# Allegro board P2597_B04_Allegro_layout.brd (continued)
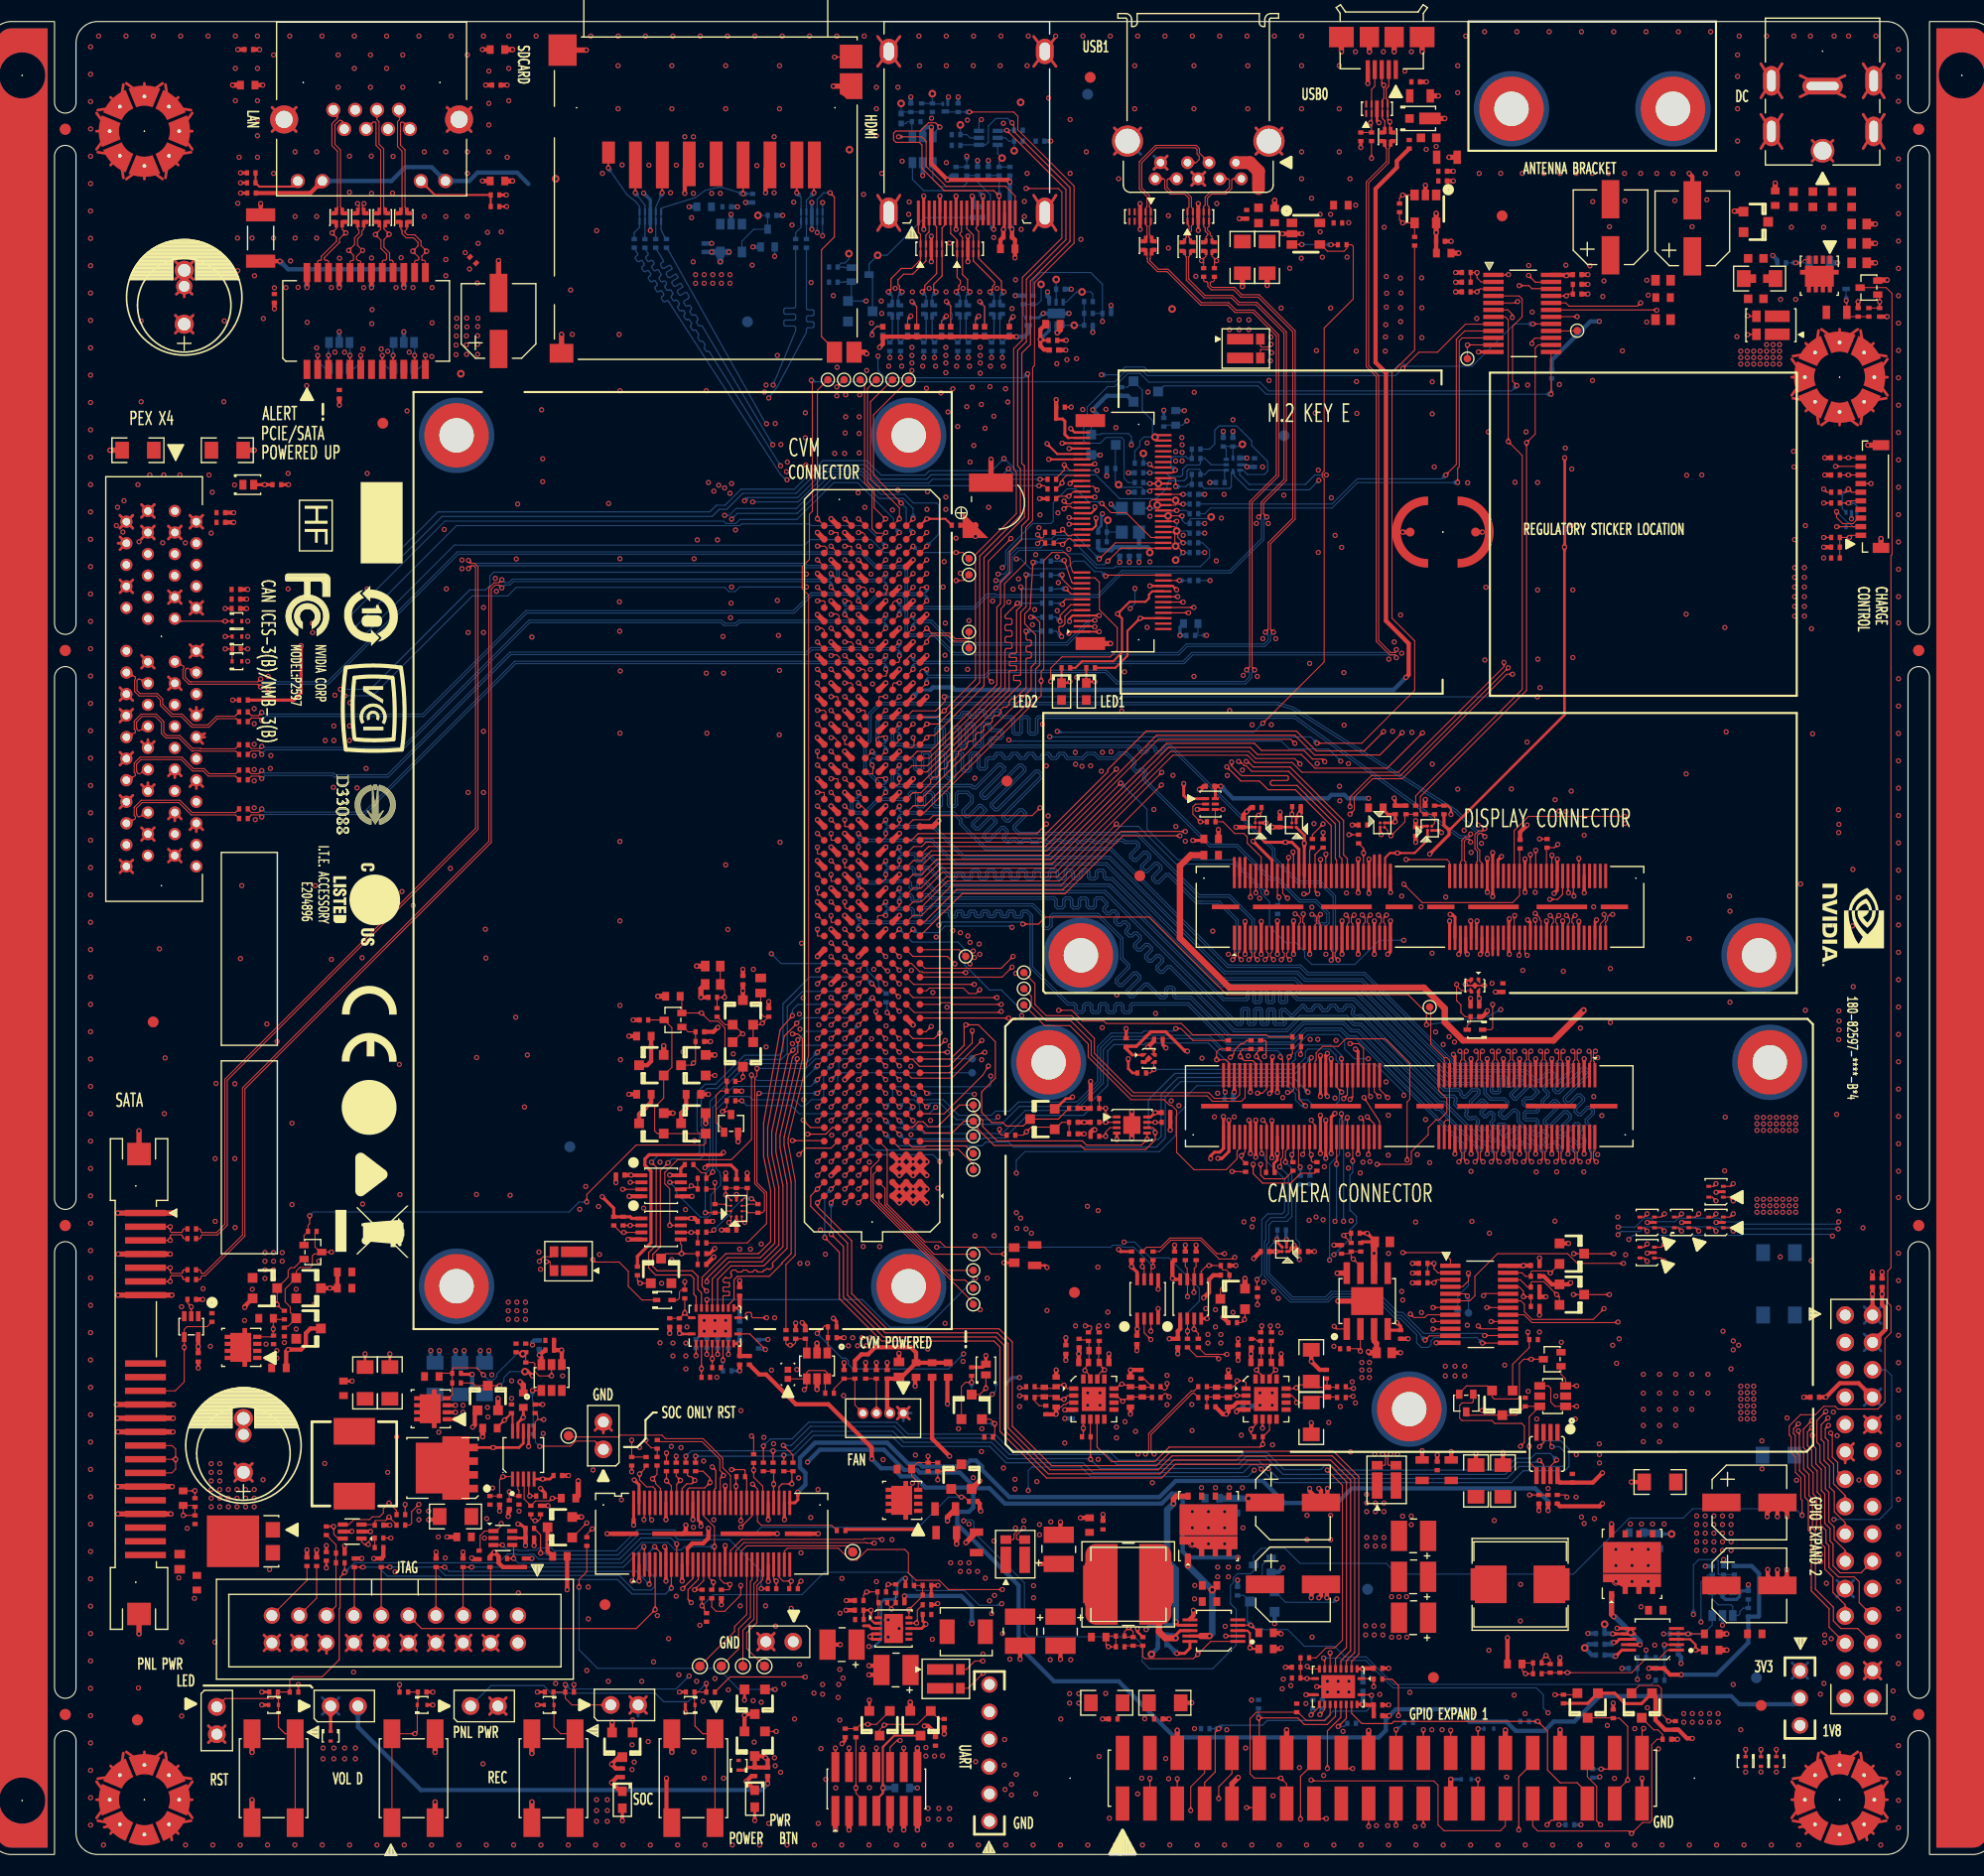
[diagram p0: board, top side]
## Routing (per net, layer and track width the routed paths; a pad name or vN(x,y) marks a point on that pad's centre or on a via; arc(x,y) is an arc through that point) (continued)
  L5 w0.4: MEC2.6 MEC2.5 MEC2.4
  BOTTOM w0.25: R336.2 v1(69.65,44.91) ; D505.3 v1(61.35,150.78) ; v1(76.35,153.38) D504.3 v1(76.35,150.88) ; R329.2 149.48,7.13 v1(149.55,7.2) ; Q501.5 v1(160.95,21.28) ; v1(172.94,124) 172.92,124.02 D34.2 ; C515.2 102.95,123.08 103.24,123.38 103.24,124.38 v1(103.35,124.48) ; Q505.2 97.45,142.68 v1(97.85,143.08) ; v1(67.35,48.58) 67.6,48.33 R337.2 ; v1(72.28,47.81) 71.43,47.81 R334.2 ; R339.2 66.6,48.33 v1(66.35,48.58) R341.2 ; C511.2 v1(110.96,134.06) ; R335.2 68.6,48.33 v1(68.35,48.58) ; 147.17,2.75 v1(147.8,2.75) ; Q507.2 88.98,163.11 v1(89.05,163.18) ; C512.2 v1(109.05,134.09)
  BOTTOM w0.254: J19.7 112.87,154.96 ; J19.7 111.63,156.2 ; J19.7 111.63,154.96 ; J19.7 112.87,156.2 ; 108.13,156.46 J19.4 ; J19.4 108.13,157.7 ; J19.4 109.37,157.7 ; J19.4 109.37,156.46 ; 71.31,20.53 J11.2 ; J11.2 71.31,18.98 ; J11.2 72.86,18.98 ; J11.2 72.86,20.53 ; 17.23,146.26 C4.3 ; C4.3 18.87,147.9 ; C4.3 17.23,147.9 ; C4.3 18.87,146.26 ; 168.17,165.16 J25.2 ; J25.2 168.17,163.2 ; J25.2 172.33,165.16 ; J25.2 172.33,163.2 ; J16.23 84.53,166.02 ; J16.23 82.47,166.02 ; J16.23 82.47,168.79 ; J16.23 84.53,168.79 ; 164.52,163.1 J25.4 ; J25.4 166.48,166.26 ; J25.4 166.48,163.1 ; J25.4 164.52,166.26 ; J26.21 173.13,25.46 ; J26.21 173.13,23.9 ; J26.21 171.57,25.46 ; J26.21 171.57,23.9 ; 174.02,161.56 J25.6 ; J25.6 175.98,158.4 ; J25.6 175.98,161.56 ; J25.6 174.02,158.4 ; 82.47,154.05 J16.22 ; J16.22 82.47,150.78 ; J16.22 84.53,150.78 ; J16.22 84.53,154.05 ; J19.11 106.9,160.3 ; J19.11 104.46,160.3 ; J19.11 104.46,157.86 ; J19.11 106.9,157.86 ; J19.10 120.04,157.86 ; J19.10 120.04,160.3 ; J19.10 117.6,157.86 ; J19.10 117.6,160.3 ; 20.3,11.94 J3.2 ; J3.2 20.3,10.39 ; J3.2 21.85,10.39 ; J3.2 21.85,11.94 ; 164.52,158.4 J25.3 ; J25.3 166.48,158.4 ; J25.3 166.48,161.56 ; J25.3 164.52,161.56 ; 46.41,13 J6.2 ; J6.2 47.97,13 ; J6.2 47.97,14.56 ; J6.2 46.41,14.56 ; 60.22,12.85 J9.2 ; J9.2 59.44,13.1 ; J9.2 60.99,13.1 ; J26.28 175.67,17.84 ; J26.28 175.67,16.28 ; J26.28 174.11,17.84 ; J26.28 174.11,16.28 ; 18.05,144.63 C4.2 ; C4.2 17.32,144.86 ; C4.2 18.78,144.86 ; J16.20 99.03,154.05 ; J16.20 96.97,150.78 ; J16.20 96.97,154.05 ; J16.20 99.03,150.78 ; 96.97,168.79 J16.21 ; J16.21 99.03,168.79 ; J16.21 96.97,166.02 ; J16.21 99.03,166.02 ; J15.1 85.41,40.42 ; J15.1 85.57,40.98 ; J15.1 84.85,40.26 ; J25.5 175.98,163.1 ; J25.5 174.02,163.1 ; J25.5 175.98,166.26 ; J25.5 174.02,166.26
  BOTTOM w0.3: C510.2 v1(110.55,113.18) 110.55,113.95 C509.2 ; v1(120.45,57.08) 120.4,57.13 R520.2 ; Y501.2 104.55,124.98 v1(104.15,125.38) ; 160.95,23.93 161.2,23.68 162.25,23.68 162.53,23.96 162.53,24.26 162.75,24.48 R502.2 ; v1(95.65,44.28) 94.95,44.28 D30.2 ; v1(60.73,154.26) 61.35,153.63 D505.3 ; v1(99.15,141.28) 99.05,141.38 U502.5 ; D32.2 v1(135.7,6.98)
  BOTTOM w0.4: U501.1 v1(116.77,129.66) ; C528.2 v1(85.55,163.18) ; v1(40.95,46.78) 40.95,46.05 C538.2 41.75,46.05 v1(41.75,46.78) ; C505.2 117.9,41.63 v1(117.98,41.71) ; R544.2 v1(104.15,143.83) ; v1(165.62,148.46) 166.05,148.03 R501.1 ; C535.2 v1(67.05,149.58) ; U503.2 v1(68.85,152.28) ; C522.2 91.35,153.88 v1(91.25,153.98) ; C514.2 v1(106.75,119.98) ; C517.2 v1(98.55,159.08) ; Q502.2 119.71,26.23 v1(120.12,26.63) ; R505.2 v1(161.05,27.38) ; v1(115.59,70.78) 115.5,70.69 R523.2 ; v1(97.85,143.08) U502.7 v1(100.25,143.08) ; R502.2 v1(163.35,25.05) ; v1(107.4,20.88) 107.8,21.28 R535.2 ; C533.2 v1(69.45,152.98) ; v1(46.35,46.78) 46.35,46.05 C536.2 45.55,46.05 v1(45.55,46.78) ; D506.2 v1(38.45,141.38) ; C520.2 v1(92.75,157.28) ; D503.2 v1(86.65,155.88) ; C502.2 v1(159.35,26.76) ; R540.2 v1(105.75,126.48) ; D507.2 v1(32.45,141.38) ; Q503.2 v1(119.34,21.43) ; C532.2 v1(70.2,153.38) ; 160.95,23.93 Q501.2 ; v1(44.05,46.78) 44.05,46.05 C537.2 43.25,46.05 v1(43.25,46.78) ; C507.2 v1(115.47,132.13) ; R550.2 v1(100.45,145.33) ; R514.2 v1(148.45,20.52) ; C202.2 50.58,47.73 50.4,47.55 v1(50.4,47.3) ; C516.2 v1(99.85,40.48) ; C521.2 v1(91.75,157.28) ; Q509.2 v1(70.88,149.25) ; C529.2 v1(86.16,6.18) ; C534.2 v1(64.95,152.98)
  vias: v1(9.35,167.83) v1(9.35,165.29) v1(9.35,162.75) v1(9.35,160.21) v1(9.35,157.67) v1(9.35,155.13) v1(9.35,152.59) v1(9.35,150.05) v1(9.35,147.51) v1(9.35,144.97) v1(9.35,142.43) v1(9.35,139.89) v1(9.35,137.35) v1(9.35,134.81) v1(9.35,132.27) v1(9.35,129.73) v1(9.35,127.19) v1(9.35,124.65) v1(9.35,122.11) v1(9.35,119.57) v1(9.35,117.03) v1(9.35,114.49) v1(9.35,111.95) v1(9.35,109.41) v1(9.35,106.87) v1(9.35,104.33) v1(9.35,101.79) v1(9.35,99.25) v1(9.35,96.71) v1(9.35,94.17) v1(9.35,91.63) v1(9.35,89.09) v1(9.35,86.55) v1(9.35,84.01) v1(9.35,81.47) v1(9.35,78.93) v1(9.35,76.39) v1(9.35,73.85) v1(9.35,71.31) v1(9.35,68.77) v1(9.35,66.23) v1(9.35,63.69) v1(9.35,61.15) v1(9.35,58.61) v1(9.35,56.07) v1(9.35,53.53) v1(9.35,50.99) v1(9.35,48.45) v1(9.35,45.91) v1(9.35,43.37) v1(9.35,40.83) v1(9.35,38.29) v1(9.35,35.75) v1(9.35,33.21) v1(9.35,30.67) v1(9.35,28.13) v1(9.35,25.59) v1(9.35,23.05) v1(9.35,20.51) v1(9.35,17.97) v1(9.35,15.43) v1(9.35,12.89) v1(9.35,10.35) v1(9.35,7.81) v1(9.35,5.27) v1(9.35,2.73) v1(10.1,168.83) v1(10.55,0.88) v1(12.64,168.83) v1(13.79,15.46) v1(14.05,142.38) v1(14.05,134.88) v1(15.18,168.83) v1(15.75,84.08) v1(16.27,73.95) v1(16.2,68.78) v1(17.55,25.68) v1(17.72,168.83) v1(17.8,50.85) v1(17.81,19.75) v1(17.81,12.85) v1(18.17,0.88) v1(18.32,30.28) v1(19,23.78) v1(19.8,52.53) v1(20.26,168.83) v1(20.48,47.18) v1(20.71,0.88) v1(20.9,19.73) v1(20.93,64.61) v1(20.93,58.78) v1(21,71.58) v1(21.77,142.38) v1(21.73,134.88) v1(22.8,168.83) v1(22.8,165.83) v1(22.8,162.83) v1(22.73,127.16) v1(22.75,71.55) v1(22.75,64.61) v1(22.77,58.2) v1(23.02,153.31) v1(23,150.08) v1(23.02,147.06) v1(23.15,157.58) v1(23.27,83.18) v1(23.25,0.88) v1(23.4,89.95) v1(23.95,114.5) v1(23.95,113.08) v1(23.95,110.78) v1(24.38,52.48) v1(24.55,106.38) v1(24.55,104.98) v1(24.55,103.08) v1(24.55,102.02) v1(24.55,100.73) v1(24.55,99.68) v1(24.55,97.18) v1(24.65,96.08) v1(25.38,34.79) v1(25.4,142.61) v1(25.73,77.11) v1(25.79,0.88) v1(25.85,109.38) v1(25.85,108.22) v1(25.98,26.45) v1(26.05,100.83) v1(26.1,102.03) v1(26.67,75.48) v1(27.35,47.53) v1(27.7,128.23) v1(27.7,117.5) v1(28.06,67.9) v1(28.06,60.34) v1(28.33,0.88) v1(28.45,52.48) v1(28.45,48.78) v1(29.48,142.26) v1(29.95,114.32) v1(29.98,113.45) v1(30.1,51.03) v1(30.23,89.95) v1(30.35,139.88) v1(30.55,55.08) v1(30.87,0.88) v1(30.95,9.88) v1(30.95,8.88) v1(31.1,36.3) v1(31.73,83.11) v1(31.95,104.78) v1(31.95,103.43) v1(31.9,99.08) v1(31.95,9.88) v1(31.95,8.88) v1(32.05,139.48) v1(32.05,107.63) v1(32.95,139.48) v1(32.95,9.88) v1(32.95,8.88) v1(33.45,106.93) v1(33.4,104.78) v1(33.4,103.43) v1(33.41,0.88) v1(33.78,16.94) v1(33.95,9.88) v1(33.95,8.88) v1(34.1,99.03) v1(34.58,83.25) v1(34.65,139.78) v1(34.62,60.39) v1(34.8,67.95) v1(34.95,100.83) v1(35.05,128.23) v1(35.05,117.5) v1(35.5,143.43) v1(35.48,142.13) v1(35.95,0.88) v1(36.35,139.78) v1(36.95,139.56) v1(37.63,26.24) v1(37.78,38.77) v1(38.04,73.35) v1(38.08,61.27) v1(38.27,89.41) v1(38.49,0.88) v1(38.75,134.03) v1(38.95,139.48) v1(39.33,88.11) v1(39.85,31.88) v1(39.85,31.08) v1(40.75,31.88) v1(41.08,142.21) v1(41.05,139.08) v1(41.03,0.88) v1(41.65,29.48) v1(41.7,39.2) v1(42.2,123.02) v1(42.3,27.53) v1(42.4,117.5) v1(42.77,91.55) v1(43.57,0.88) v1(43.85,120.18) v1(43.85,119.38) v1(44.42,113.45) v1(44.42,98.61) v1(44.55,147.21) v1(45.27,145.91) v1(45.21,73.99) v1(45.2,61.28) v1(45.85,115.78) v1(45.85,113.45) v1(45.85,104.28) v1(45.85,98.61) v1(45.8,8.42) v1(45.94,29.38) v1(46.02,85.91) v1(46.08,83.23) v1(46.11,0.88) v1(46.22,41.51) v1(46.26,40.62) v1(46.62,44.53) v1(46.7,34.03) v1(46.95,118.48) v1(47.05,117.28) v1(47.5,150.66) v1(48.05,157.58) v1(48.2,168.83) v1(48.2,165.83) v1(48.2,162.83) v1(48.33,61.2) v1(48.65,0.88) v1(48.9,120.28) v1(48.84,77.74) v1(49.02,125.38) v1(49.09,24.29) v1(49.66,69.4) v1(49.93,74.23) v1(50.35,113.03) v1(50.74,168.83) v1(51,55.93) v1(51.15,54.33) v1(51.19,0.88) v1(51.25,134.13) v1(51.35,129.58) v1(51.35,127.45) v1(51.4,39.08) v1(52.55,15.88) v1(53.2,44.43) v1(53.73,0.88) v1(53.95,145.25) v1(54.1,141.13) v1(54.79,59.91) v1(55.35,62.02) v1(55.45,17.08) v1(55.58,24.83) v1(55.59,21.87) v1(55.82,168.83) v1(56.03,35.7) v1(56.27,0.88) v1(56.37,150.77) v1(56.54,60.16) v1(56.62,55.7) v1(56.9,156.08) v1(57.48,125.43) v1(57.45,16.08) v1(58.36,168.83) v1(58.35,166.08) v1(58.35,162.08) v1(58.45,141.12) v1(58.48,116.3) v1(58.5,113.58) v1(58.52,135.91) v1(58.52,120.3) v1(58.55,109.88) v1(58.52,104.11) v1(58.52,94.05) v1(58.52,86.68) v1(58.52,78.83) v1(58.58,73.79) v1(58.52,69.25) v1(58.67,32.93) v1(58.73,156.86) v1(58.81,0.88) v1(60.34,37.79) v1(60.55,16.08) v1(60.73,60.01) v1(60.9,168.83) v1(61.15,10.48) v1(61.22,156.84) v1(61.35,0.88) v1(61.65,17.88) v1(62,22.18) v1(62.25,64.28) v1(62.25,47.5) v1(62.4,53.03) v1(63.05,20.03) v1(63.23,154.28) v1(63.35,166.08) v1(63.35,162.08) v1(63.34,55.23) v1(63.3,37.88) v1(63.44,168.83) v1(63.76,156.84) v1(63.75,23.98) v1(63.89,0.88) v1(64,16.68) v1(64.2,37.78) v1(64.39,74.52) v1(64.55,159.48) v1(64.61,59.87) v1(64.75,48.98) v1(65.18,151.97) v1(65.35,159.48) v1(65.35,154.23) v1(65.33,147.87) v1(65.4,9.53) v1(65.41,120.3) v1(65.45,66.28) v1(65.55,146.68) v1(65.55,145.88) v1(65.65,16.08) v1(65.71,122.05) v1(65.98,168.83) v1(65.95,21.28) v1(66.08,156.84) v1(66.25,14.23) v1(66.35,146.68) v1(66.35,145.88) v1(66.35,49.58) v1(66.3,36.53) v1(66.35,7.08) v1(66.43,0.88) v1(66.55,135.91) v1(66.55,109.68) v1(66.6,104.11) v1(66.75,127.38) v1(67.15,146.68) v1(67.15,145.88) v1(67.25,31.08) v1(67.35,49.58) v1(67.35,16.33) v1(67.58,122.05) v1(67.52,44.3) v1(67.95,146.68) v1(67.95,145.88) v1(68.1,113.08) v1(68.15,109.68) v1(68.15,7.08) v1(68.35,166.08) v1(68.35,162.08) v1(68.35,91.88) v1(68.35,49.58) v1(68.52,168.83) v1(68.55,85.88) v1(68.6,15.28) v1(68.75,146.68) v1(68.75,145.88) v1(68.9,127.28) v1(68.9,117.68) v1(68.85,116.18) v1(68.8,114.83) v1(68.97,0.88) v1(69.05,74.33) v1(69.26,122.98) v1(69.77,41.21) v1(69.7,23.08) v1(70.15,9.48) v1(70.81,147.56) v1(70.92,82.18) v1(71,10.43) v1(71.06,168.83) v1(71.25,156.8) v1(71.51,0.88) v1(71.9,38.73) v1(71.95,135.78) v1(72.05,23.08) v1(72.1,136.43) v1(72.1,74.98) v1(72.35,2.88) v1(72.6,44.96) v1(72.85,159.48) v1(72.85,154.28) v1(72.9,49.83) v1(72.8,38.13) v1(72.95,132.86) v1(72.95,8.23) v1(73.15,139.18) v1(73.15,116.43) v1(73.25,113.18) v1(73.35,166.08) v1(73.35,162.08) v1(73.35,109.93) v1(73.33,103.95) v1(73.4,93.98) v1(73.47,130.91) v1(73.6,168.83) v1(73.64,156.84) v1(73.75,15.83) v1(74,128.38) v1(74.08,129.28) v1(74.05,0.88) v1(74.51,151.29) v1(74.55,75.28) v1(74.67,153.41) v1(74.75,12.58) v1(74.96,45.03) v1(75.12,34.95) v1(75.2,78.03) v1(75.25,76.63) v1(75.2,17.63) v1(75.4,84.61) v1(75.35,28.01) v1(75.55,79.53) v1(75.6,70.08) v1(75.75,133.86) v1(75.75,131.53) v1(75.8,129) v1(76.14,168.83) v1(76.29,145.95) v1(76.25,31.28) v1(76.55,14.98) v1(76.59,0.88) v1(77,77.03) v1(76.92,33.88) v1(76.95,2.88) v1(77.15,57.98) v1(77.2,9.83) v1(77.61,55.73) v1(78.2,66.78) v1(78.47,130.08) v1(78.57,6.18) v1(78.68,168.83) v1(78.7,138.08) v1(78.67,135.43) v1(78.8,14.58) v1(78.97,22.4) v1(78.95,12.48) v1(79.15,25.63) v1(79.13,0.88) v1(79.4,130.08) v1(79.3,42.6) v1(79.45,131.98) v1(79.5,135.53) v1(79.5,133.48) v1(80.65,126.43) v1(80.75,133.48) v1(80.75,131.93) v1(80.75,130.13) v1(80.8,135.53) v1(81.16,154.13) v1(81.12,56.45) v1(81.22,168.83) v1(81.27,125.08) v1(81.45,137.78) v1(81.7,68.18) v1(81.7,64.28) v1(81.67,0.88) v1(81.7,6.2) v1(81.9,142.18) v1(81.83,121.46) v1(81.9,112.63) v1(81.85,111.28) v1(81.8,110.03) v1(81.9,75.73) v1(82,108.68) v1(82.1,82.18) v1(82.35,164.08) v1(82.35,162.08) v1(82.35,159.58) v1(82.35,25.33) v1(82.65,56.43) v1(82.85,156.08) v1(82.8,144.23) v1(82.85,143.08) v1(83.25,76.93) v1(83.44,21.78) v1(83.44,20.18) v1(83.5,138.18) v1(83.85,124.83) v1(83.8,29.23) v1(84.1,145.41) v1(84.21,0.88) v1(84.35,164.08) v1(84.35,126.68) v1(84.46,20.98) v1(84.7,138.18) v1(84.74,157.21) v1(85.4,153.43) v1(85.35,152.28) v1(85.6,82.08) v1(85.55,73.18) v1(85.56,66.83) v1(85.7,145.08) v1(85.65,139.93) v1(85.65,139.18) v1(85.65,138.48) v1(85.65,137.78) v1(85.7,34.48) v1(85.97,37.08) v1(86.3,168.83) v1(86.35,166.08) v1(86.65,138.18) v1(86.75,0.88) v1(87,136.13) v1(87.05,124.88) v1(87.1,126.53) v1(87.12,46.93) v1(87.25,145.41) v1(87.38,68.16) v1(87.47,161.21) v1(87.59,80.03) v1(87.85,138.18) v1(87.9,85.18) v1(88.06,61.86) v1(88.35,135.7) v1(88.55,117.68) v1(88.5,9.16) v1(88.65,120.03) v1(88.75,114.33) v1(88.72,111.34) v1(88.84,168.83) v1(88.85,166.08) v1(88.85,157.08) v1(88.82,145.08) v1(88.8,139.93) v1(88.8,139.18) v1(88.8,138.48) v1(88.8,137.58) v1(88.8,126.03) v1(88.8,124.88) v1(88.88,110.04) v1(88.91,78.67) v1(89,133.93) v1(89.15,149.61) v1(89.2,75.08) v1(89.29,0.88) v1(89.45,136.08) v1(89.75,122.2) v1(89.8,138.18) v1(89.9,132.58) v1(89.97,39.53) v1(90.15,118.96) v1(90.4,145.41) v1(90.4,45.78) v1(90.75,134.42) v1(90.8,161.03) v1(90.82,110.03) v1(90.95,114.55) v1(91,138.18) v1(91.05,129.28) v1(91.25,136.23) v1(91.38,168.83) v1(91.35,166.08) v1(91.4,130.82) v1(91.49,99.93) v1(91.57,8.62) v1(91.9,84.53) v1(91.83,0.88) v1(91.95,145.08) v1(92,139.93) v1(92,139.18) v1(92,138.48) v1(92,137.53) v1(92,50.58) v1(92.1,134.63) v1(92.13,73.78) v1(92.15,39.53) v1(92.25,18.61) v1(92.44,132.41) v1(92.65,53.5) v1(92.77,125.08) v1(92.9,136.28) v1(92.86,23.55) v1(92.95,138.18) v1(93.25,150.13) v1(93.26,133.53) v1(93.55,145.41) v1(93.85,166.08) v1(93.92,168.83) v1(94.08,20.51) v1(94.15,160.73) v1(94.15,138.18) v1(94.26,10.67) v1(94.22,8.29) v1(94.35,136.08) v1(94.3,6.03) v1(94.37,0.88) v1(94.55,134.86) v1(94.65,116.28) v1(94.75,18.13) v1(94.95,143.53) v1(95.05,117.48) v1(95.27,146.21) v1(95.22,33.93) v1(95.3,81.8) v1(95.55,118.43) v1(95.65,41.58) v1(95.8,150.88) v1(96.05,30.98) v1(96.1,153.48) v1(96.1,152.08) v1(96.35,166.08) v1(96.35,156.08) v1(96.46,168.83) v1(96.75,57.68) v1(96.85,114.18) v1(96.95,24.95) v1(96.95,23.83) v1(96.91,0.88) v1(97.05,115.58) v1(97.15,120.68) v1(97.15,5.63) v1(97.26,34.62) v1(97.45,123.18) v1(97.55,124.38) v1(97.5,30.63) v1(97.5,29.68) v1(97.79,104.94) v1(98.14,101.07) v1(98.2,50.5) v1(98.35,163.08) v1(98.3,96.43) v1(98.55,30.88) v1(98.5,18.08) v1(99,168.83) v1(99.15,120.48) v1(99.15,115.48) v1(99.21,124.56) v1(99.25,118.08) v1(99.48,12.58) v1(99.45,0.88) v1(99.85,38.2) v1(100.22,121.18) v1(100.35,161.08) v1(100.35,156.08) v1(100.4,18.08) v1(100.83,102.33) v1(100.85,101.23) v1(100.85,49.08) v1(100.95,138.88) v1(100.96,109.29) v1(101.35,149.96) v1(101.54,168.83) v1(101.52,134.16) v1(101.85,158.08) v1(101.98,42.85) v1(101.98,41.71) v1(101.99,0.88) v1(102.92,54.53) v1(102.95,36.68) v1(103.03,9.1) v1(103.12,42.85) v1(103.12,41.71) v1(103.35,102.33) v1(103.33,76.77) v1(103.67,134.18) v1(103.65,14.96) v1(103.85,50.35) v1(103.8,49.08) v1(104.08,168.83) v1(104.6,132.48) v1(104.53,0.88) v1(104.68,79.81) v1(104.85,155.58) v1(105.14,106.17) v1(105.4,109.8) v1(106.35,166.08) v1(106.35,162.08) v1(106.42,39.28) v1(106.62,168.83) v1(106.65,37.18) v1(106.62,5.62) v1(107,7.08) v1(107.07,0.88) v1(107.57,135.78) v1(107.5,131.06) v1(107.5,113.93) v1(107.77,124.25) v1(107.76,120.02) v1(107.99,34.52) v1(108.13,97.02) v1(108.29,78.09) v1(109.16,168.83) v1(109.22,8.91) v1(109.35,44.48) v1(109.35,41.75) v1(109.48,152.16) v1(109.48,149.15) v1(109.55,48.88) v1(109.5,7.03) v1(109.61,0.88) v1(109.9,100.19) v1(110.15,130.25) v1(110.17,95.44) v1(110.72,131.56) v1(110.85,122.48) v1(111.05,94.08) v1(111.55,44.08) v1(111.7,168.83) v1(111.65,41.78) v1(111.67,39.35) v1(111.85,166.08) v1(111.85,162.08) v1(111.88,135.76) v1(111.9,23.73) v1(111.9,11.68) v1(111.92,24.98) v1(112.02,146.53) v1(112.15,0.88) v1(112.6,73.93) v1(112.55,34.05) v1(112.95,50.68) v1(113.15,48.28) v1(113.15,47.48) v1(113.6,85.72) v1(113.75,68.48) v1(113.85,50.58) v1(113.85,48.98) v1(113.85,34.05) v1(113.97,153.28) v1(113.92,120.11) v1(114.24,168.83) v1(114.4,124.08) v1(114.35,48.28) v1(114.35,47.48) v1(114.65,126.28) v1(114.69,0.88) v1(114.75,21.18) v1(114.9,11.58) v1(114.95,100.18) v1(115.05,83.58) v1(115.16,106.21) v1(115.15,34.05) v1(115.47,133.21) v1(115.59,68.48) v1(116.25,38.93) v1(116.35,100.68) v1(116.35,34.05) v1(116.43,109.48) v1(116.41,30.33) v1(116.78,168.83) v1(116.85,166.08) v1(116.85,162.08) v1(116.9,74.13) v1(117.2,14.33) v1(117.26,104.88) v1(117.25,58.28) v1(117.23,0.88) v1(117.65,123.58) v1(117.73,109.38) v1(117.95,88.78) v1(117.98,42.85) v1(118.22,128.83) v1(118.25,112.88) v1(118.75,123.58) v1(118.82,136.86) v1(118.95,138.68) v1(119,140.88) v1(119.04,104.89) v1(119.12,42.85) v1(119.12,41.71) v1(119.15,38.03) v1(119.2,5.45) v1(119.32,168.83) v1(119.45,112.88) v1(119.65,49.08) v1(119.77,0.88) v1(119.95,143.58) v1(120.2,126.2) v1(120.1,70.27) v1(120.74,147.28) v1(121.86,168.83) v1(121.85,166.08) v1(121.85,162.08) v1(121.85,158.08) v1(121.85,155.58) v1(122.35,31.48) v1(122.35,29.23) v1(122.31,0.88) v1(122.6,110.58) v1(122.77,153.78) v1(122.8,87.95) v1(122.82,20.18) v1(123,95.7) v1(123.12,133.83) v1(123.22,139.63) v1(123.4,128.53) v1(123.3,101.28) v1(123.77,148.31) v1(123.85,58.93) v1(123.9,7.33) v1(123.96,63.85) v1(124.11,83.58) v1(124.25,16.08) v1(124.25,15.08) v1(124.38,40.1) v1(124.55,143.58) v1(124.55,31.48) v1(124.55,29.23) v1(124.85,47.18) v1(124.85,0.88) v1(124.95,70.23) v1(125.25,16.08) v1(125.25,15.08) v1(125.35,166.08) v1(125.35,162.08) v1(125.35,158.08) v1(125.37,99.18) v1(125.4,97.83) v1(125.57,121.36) v1(125.7,11.43) v1(125.77,109.73) v1(125.8,104.86) v1(126.07,148.31) v1(126.02,89.27) v1(126.2,101.28) v1(126.2,63.73) v1(126.22,151.51) v1(126.25,16.08) v1(126.25,15.08) v1(126.35,155.58) v1(126.4,37.38) v1(126.45,58.83) v1(126.55,43.88) v1(126.85,167.38) v1(126.88,153.13) v1(126.85,41.93) v1(126.92,139.58) v1(126.95,136.76) v1(126.99,133.79) v1(127.3,63.28) v1(127.39,0.88) v1(128.2,64.33) v1(128.65,37.18) v1(128.8,2.68) v1(129.11,14.86) v1(129.45,167.38) v1(129.53,151.08) v1(129.62,139.58) v1(129.7,71.73) v1(129.9,64.93) v1(129.85,2.68) v1(129.95,110.98) v1(129.91,68.63) v1(129.93,55.8) v1(129.93,0.88) v1(130.21,23.93) v1(130.22,20.17) v1(130.3,104.28) v1(130.45,112.58) v1(130.75,37.18) v1(130.9,23.93) v1(130.9,20.18) v1(131.05,115.08) v1(131.15,111.53) v1(131.23,31.41) v1(131.6,23.93) v1(131.62,20.17) v1(131.91,15.05) v1(132.05,167.38) v1(132.04,31.42) v1(132.04,30.61) v1(132.1,104.18) v1(132.4,2.58) v1(132.44,58.71) v1(132.47,0.88) v1(132.6,64.98) v1(132.95,87.98) v1(132.99,50.32) v1(133,146.38) v1(133.03,143.61) v1(133.03,140.83) v1(133.37,68.23) v1(133.43,158.31) v1(133.75,64.23) v1(133.99,136.73) v1(133.99,133.75) v1(133.99,101.24) v1(133.97,83.68) v1(133.95,11.58) v1(134.18,128.83) v1(134.3,76.36) v1(134.9,11.58) v1(135.01,0.88) v1(136.35,166.08) v1(136.35,163.58) v1(136.36,98.91) v1(136.95,95.08) v1(137.1,168.83) v1(137.28,127.36) v1(137.25,49.14) v1(137.59,63.42) v1(137.55,0.88) v1(137.6,93.03) v1(137.67,58.77) v1(137.88,13.19) v1(138.12,142.61) v1(138.25,95.58) v1(138.35,156.08) v1(138.56,93.88) v1(138.62,41.23) v1(138.85,169.23) v1(138.88,110.91) v1(138.97,117.66) v1(139.2,132.08) v1(139.25,18.95) v1(139.3,57.68) v1(140.09,0.88) v1(140.35,156.08) v1(140.72,45.43) v1(140.9,7.19) v1(141.34,98.93) v1(141.59,14.79) v1(141.68,127.41) v1(141.85,169.23) v1(142.2,25.08) v1(142.18,21.68) v1(142.35,156.08) v1(142.4,82.08) v1(142.7,132.08) v1(142.61,13.08) v1(142.63,0.88) v1(142.8,103.28) v1(142.85,136.43) v1(142.95,147.53) v1(142.9,43) v1(143.28,143.21) v1(143.55,89.33) v1(143.65,63.37) v1(143.7,40.43) v1(143.78,127.38) v1(143.78,117.41) v1(143.8,110.98) v1(143.95,48.5) v1(144,108.33) v1(144.35,156.08) v1(144.75,33.98) v1(144.85,169.23) v1(145.17,0.88) v1(145.38,58.8) v1(145.4,97.93) v1(145.47,42.55) v1(145.8,136.48) v1(145.85,156.08) v1(145.97,47.55) v1(146.16,82) v1(146.35,130.58) v1(146.4,96.83) v1(146.95,128.63) v1(146.95,123.38) v1(146.9,98.73) v1(147.05,117.41) v1(147.05,111.13) v1(147.28,40.43) v1(147.35,156.08) v1(147.38,37.13) v1(147.35,33.18) v1(147.75,76.73) v1(147.71,0.88) v1(147.85,169.23) v1(148.06,63.38) v1(148.1,94.63) v1(148.85,156.08) v1(148.88,136.86) v1(148.9,153.46) v1(148.98,87.98) v1(148.99,70.37) v1(149.05,31.18) v1(149.35,73.98) v1(149.35,64.98) v1(149.51,38.13) v1(149.53,37.13) v1(149.53,36.35) v1(149.75,68.6) v1(150.25,11.98) v1(150.25,0.88) v1(150.35,156.08) v1(150.45,151.13) v1(150.54,82.25) v1(150.54,77.25) v1(150.85,169.23) v1(150.92,7.06) v1(151.12,45.6) v1(151.22,59.18) v1(151.35,47.88) v1(151.65,139.61) v1(151.85,156.08) v1(151.88,153.53) v1(151.9,95.73) v1(151.95,55.68) v1(152.4,30.68) v1(152.8,11.68) v1(152.79,0.88) v1(153.35,156.08) v1(153.38,22.99) v1(153.42,30.68) v1(153.85,169.23) v1(153.92,146.16) v1(153.91,142.28) v1(153.97,13.62) v1(154.05,144.78) v1(154.07,16.49) v1(154.45,30.68) v1(154.66,19.43) v1(154.85,156.08) v1(155.33,0.88) v1(155.53,30.68) v1(156.35,156.08) v1(156.53,153.56) v1(156.85,169.23) v1(157.57,115.16) v1(157.57,100.33) v1(157.62,128.06) v1(157.85,85.03) v1(157.87,0.88) v1(158.12,151.13) v1(159.35,156.08) v1(159.5,153.63) v1(159.85,169.23) v1(160.41,0.88) v1(161,48.58) v1(161.17,113.92) v1(161.15,63.48) v1(161.29,104.23) v1(161.2,68.46) v1(161.6,88.98) v1(161.65,87.58) v1(161.65,79.13) v1(161.74,45.08) v1(161.95,15.78) v1(162.29,140.92) v1(162.35,167.08) v1(162.35,165.08) v1(162.35,162.08) v1(162.35,159.08) v1(162.35,156.08) v1(162.45,47.28) v1(162.5,168.83) v1(162.65,11.58) v1(162.95,0.88) v1(163.1,7.66) v1(164.53,7.66) v1(164.61,38.4) v1(164.62,35.8) v1(165.04,168.83) v1(165.49,0.88) v1(165.95,7.66) v1(166.32,55.48) v1(166.95,40.53) v1(167.58,168.83) v1(167.55,130.28) v1(167.6,128.83) v1(167.65,122.08) v1(167.83,34.74) v1(168.03,0.88) v1(168.21,90.11) v1(168.65,123.38) v1(169.12,168.83) v1(169.2,55.13) v1(169.22,113.81) v1(169.32,104.05) v1(170.05,27.18) v1(170.35,120.38) v1(170.38,15.88) v1(170.6,25.18) v1(171.05,20.03) v1(171.25,41.08) v1(171.32,168.83) v1(171.55,68.71) v1(171.6,38.88) v1(171.77,78.32) v1(171.75,75.66) v1(171.75,59.75) v1(172.66,168.83) v1(173.06,91.46) v1(173.03,86.21) v1(173.1,80.57) v1(173.63,34.76) v1(174,58.18) v1(175.2,168.83) v1(175.65,0.88) v1(176.8,15.18) v1(176.8,12.64) v1(177.3,167.58) v1(177.3,165.04) v1(177.3,162.78) v1(177.3,157.42) v1(177.3,154.88) v1(177.3,152.34) v1(177.3,149.8) v1(177.3,147.26) v1(177.3,144.72) v1(177.3,142.18) v1(177.3,139.64) v1(177.3,137.1) v1(177.3,134.56) v1(177.3,132.02) v1(177.3,129.48) v1(177.3,126.94) v1(177.3,124.4) v1(177.3,121.86) v1(177.3,119.32) v1(177.3,116.78) v1(177.3,114.34) v1(177.3,109.16) v1(177.3,106.62) v1(177.3,104.08) v1(177.3,101.54) v1(177.3,99) v1(177.3,96.46) v1(177.3,93.92) v1(177.3,91.38) v1(177.3,88.84) v1(177.3,86.3) v1(177.3,83.76) v1(177.3,81.22) v1(177.3,78.68) v1(177.3,76.14) v1(177.3,73.6) v1(177.3,71.06) v1(177.3,68.52) v1(177.3,65.98) v1(177.3,63.44) v1(177.3,61) v1(177.3,55.82) v1(177.3,53.28) v1(177.3,50.74) v1(177.3,48.2) v1(177.3,45.66) v1(177.3,43.12) v1(177.3,40.58) v1(177.3,38.04) v1(177.3,35.5) v1(177.3,32.96) v1(177.3,30.42) v1(177.3,27.88) v1(177.3,25.34) v1(177.3,22.8) v1(177.3,20.26) v1(177.3,17.72) v1(177.3,10.1) v1(177.3,7.56) v1(177.3,5.02) v1(177.3,2.48)
